# Altium PCB DriversBoard_Bigger.PcbDoc
Units mm, origin at the board's own origin, x right, y up, seen from the top; angles counter-clockwise.
Board outline 136.91 x 113.54 mm, 2 copper layers (Top Layer, Bottom Layer); 140 components, 161 nets, 851 pads, 0 vias.
Unrouted connection lines stored in the file: 475.
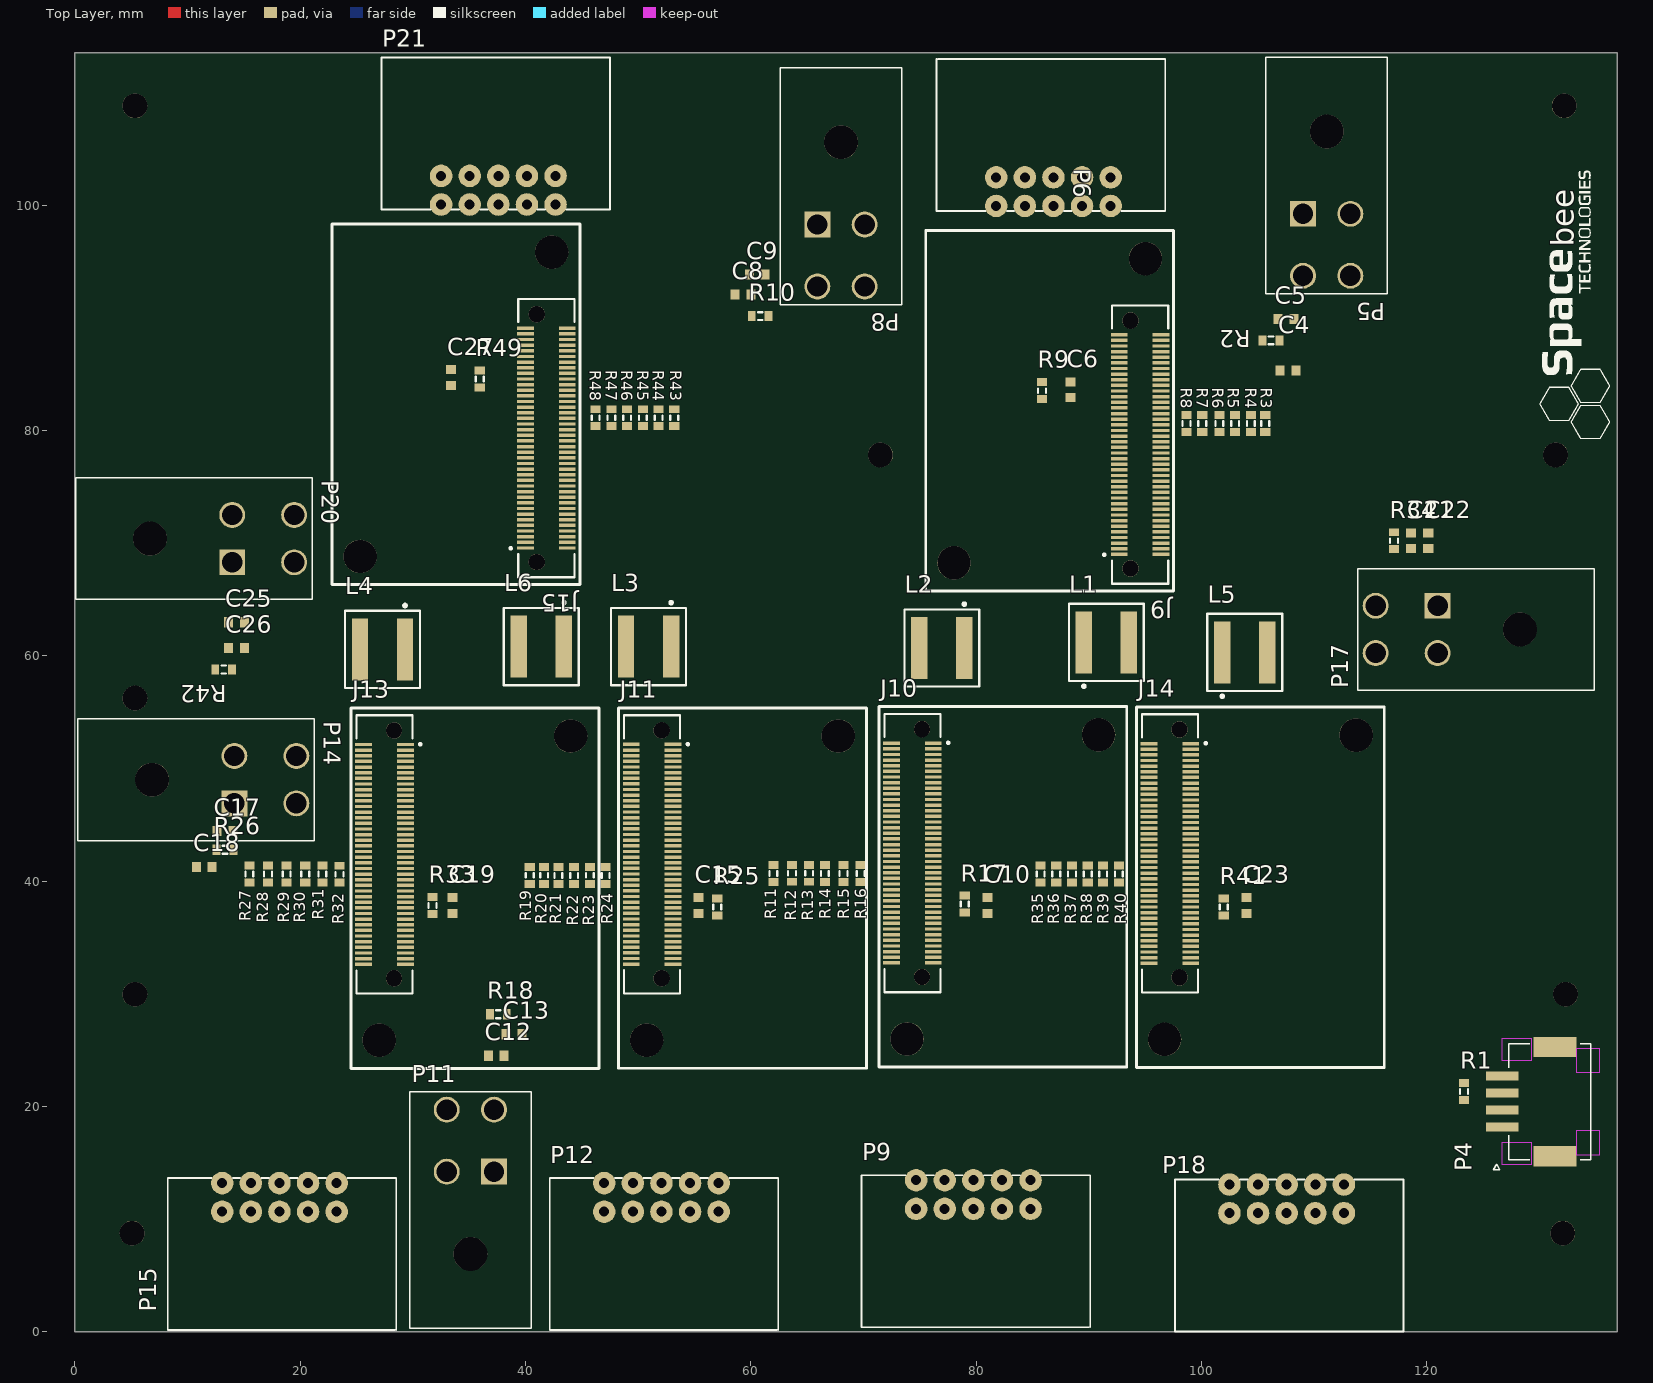
[diagram p0: Top Layer view]
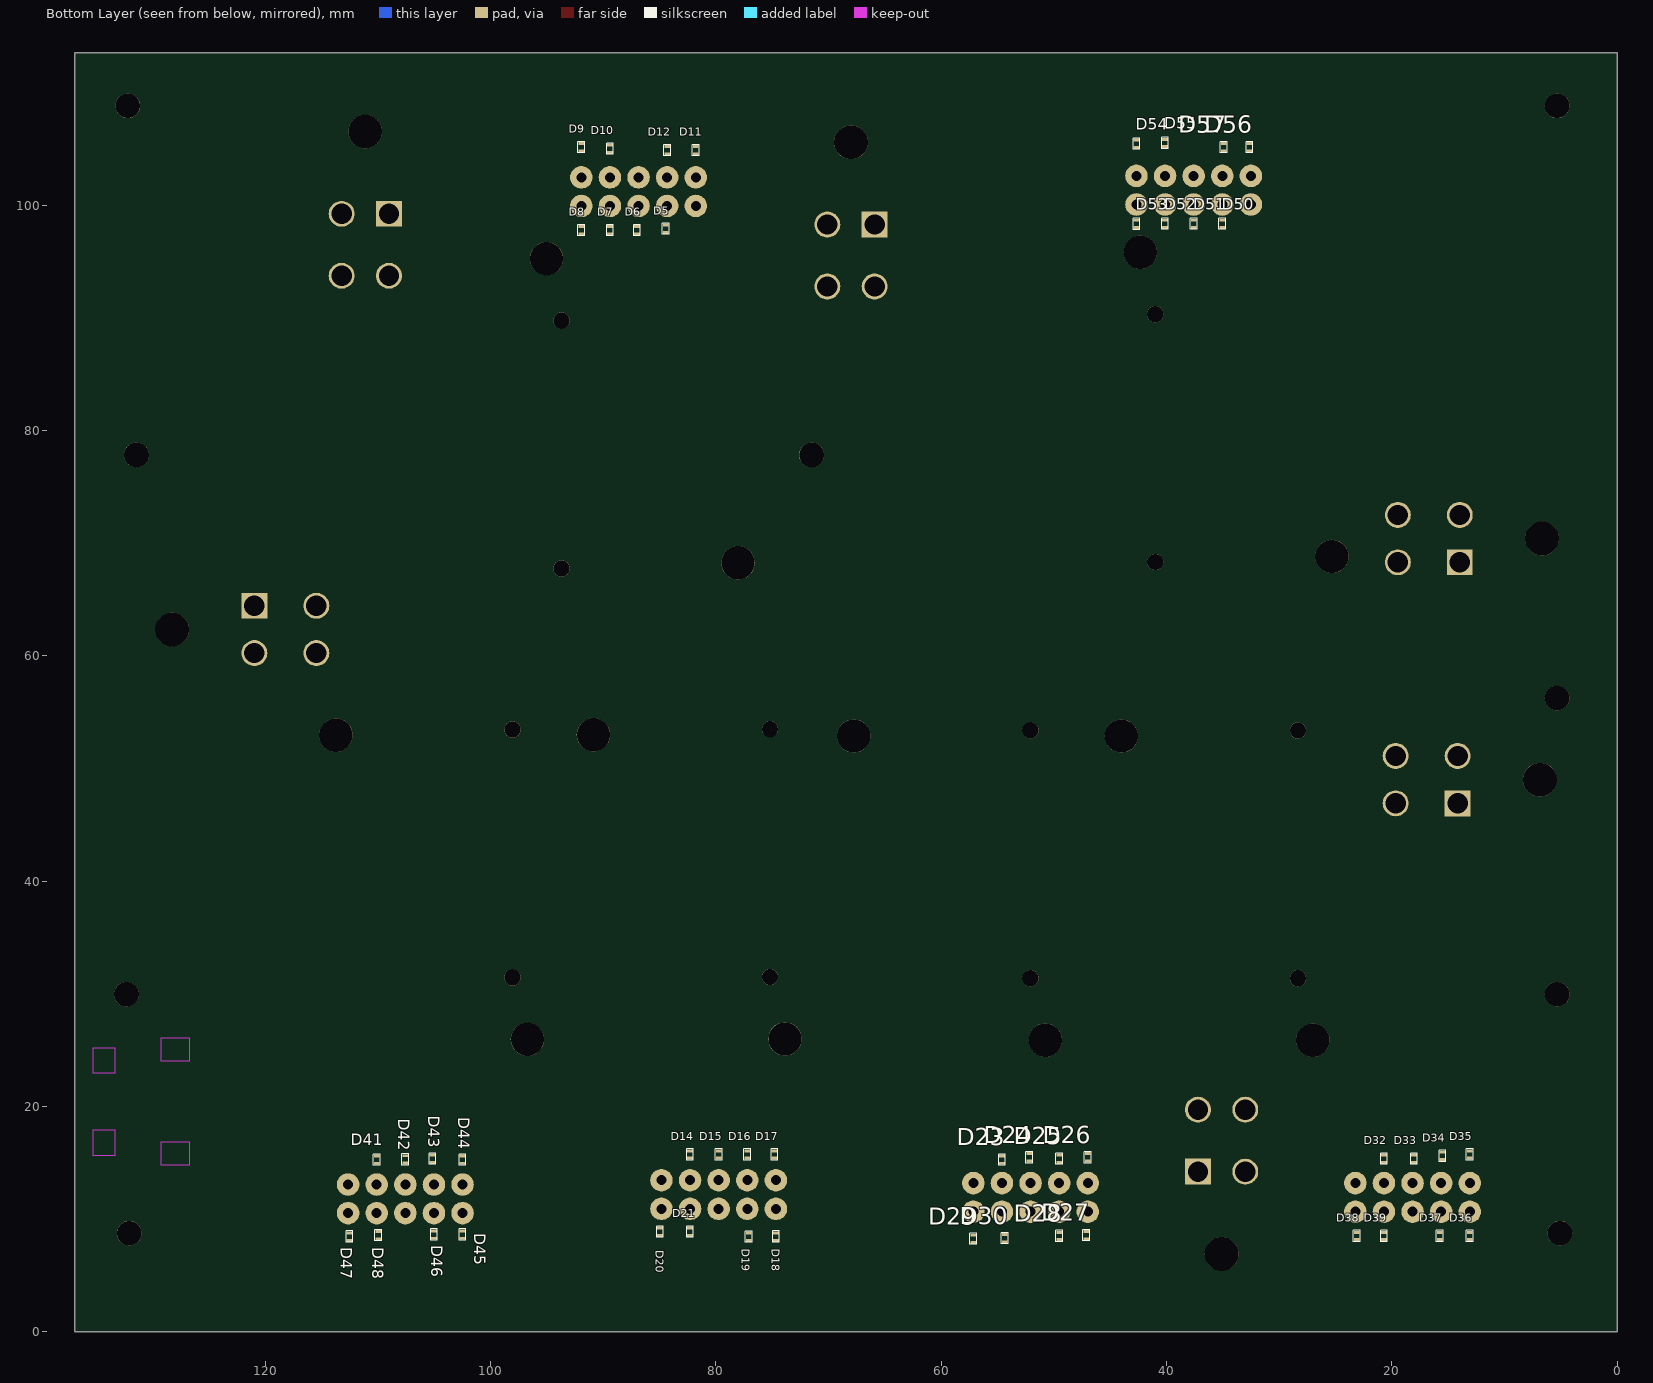
[diagram p1: Bottom Layer view, seen from below]

## Layer stack, top to bottom
Top Solder: solder mask 0.0102, Solder Resist, Dk 3.5
Top Layer: signal copper 0.0356
Dielectric 1: dielectric 0.32, FR-4, Dk 4.8
Bottom Layer: signal copper 0.0356
Bottom Solder: solder mask 0.0102, Solder Resist, Dk 3.5

## Board outline
0,0 136.906,0 136.906,113.538 0,113.538

## Design rules (kind name [scope] priority, off if disabled: settings)
Clearance [All] p1: gap=0.2 ignorepadtopadclearanceinfootprint=FALSE
PolygonConnect [All] p1: connectstyle=Relief reliefconductorwidth=0.254 reliefentries=4 polygonreliefangle="90 Angle" airgapwidth=0.254
RoomDefinition CurrentMeasurement [InComponentClass('CurrentMeasurement')] p1: confinementstyle=ConfineIn formatcopy=TRUE lockcomponents=FALSE outline -769.874,-672.084 -719.074,-672.084 -719.074,-646.684 -769.874,-646.684
RoomDefinition TopDrivers [InComponentClass('TopDrivers')] p2: confinementstyle=ConfineIn formatcopy=TRUE lockcomponents=FALSE outline 90.17,119.761 135.509,119.761 135.509,136.652 90.17,136.652
RoomDefinition D6 [InComponentClass('D6')] p3: confinementstyle=ConfineIn formatcopy=TRUE lockcomponents=FALSE outline 149.479,191.643 166.497,191.643 166.497,203.708 149.479,203.708
RoomDefinition D5 [InComponentClass('D5')] p4: confinementstyle=ConfineIn formatcopy=TRUE lockcomponents=FALSE outline 124.587,155.448 166.37,155.448 166.37,169.799 124.587,169.799
RoomDefinition D4 [InComponentClass('D4')] p5: confinementstyle=ConfineIn formatcopy=TRUE lockcomponents=FALSE outline -21.336,123.063 20.066,123.063 20.066,135.89 -21.336,135.89
RoomDefinition D3 [InComponentClass('D3')] p6: confinementstyle=ConfineIn formatcopy=TRUE lockcomponents=FALSE outline 196.977,87.63 220.579,87.63 220.579,116.205 196.977,116.205
RoomDefinition D2 [InComponentClass('D2')] p7: confinementstyle=ConfineIn formatcopy=TRUE lockcomponents=FALSE outline 148.971,101.6 160.655,101.6 160.655,114.046 148.971,114.046
RoomDefinition D1 [InComponentClass('D1')] p8: confinementstyle=ConfineIn formatcopy=TRUE lockcomponents=FALSE outline -23.241,116.078 -11.176,116.078 -11.176,131.572 -23.241,131.572
RoutingVias [All] p1: holewidth=0.711 width=1.27 viastyle="Through Hole" minholewidth=0.711 minwidth=1.27 maxholewidth=0.711 maxwidth=1.27
SolderMaskExpansion [All] p1: expansion=0.102 istentingtop=FALSE
Width [All] p1: maxlimit=0.254 minlimit=0.254 preferedwidth=0.254
30 further rules are at their usual default settings.

## Classes and differential pairs
component class D3: C4 C5 C6 D5 D6 D7 D8 D9 D10 D11 D12 J9 L1 P5 P6 R2 R3 R4 R5 R6 R7 R8 R9
component class D5: C8 C9 C10 D14 D15 D16 D17 D18 D19 D20 D21 J10 L2 P8 P9 R10 R11 R12 R13 R14 R15 R16 R17
component class D1: C12 C13 C15 D23 D24 D25 D26 D27 D28 D29 D30 J11 L3 P11 P12 R18 R19 R20 R21 R22 R23 R24 R25 U9
component class D2: C17 C18 C19 D32 D33 D34 D35 D36 D37 D38 D39 F4 J13 J22 L4 P14 P15 R26 R27 R28 R29 R30 R31 R32 R33 U10
component class D4: C21 C22 C23 D41 D42 D43 D44 D45 D46 D47 D48 F5 J14 J24 L5 P17 P18 R34 R35 R36 R37 R38 R39 R40 R41 U11
component class D6: C25 C26 C27 D22 D50 D51 D52 D53 D54 D55 D56 D57 F6 J15 J26 L6 P20 P21 P29 R42 R43 R44 R45 R46 R47 R48 R49 U12
component class TopDrivers: P4 R1

## Components (designator, comment, footprint, x,y, rotation, side; value= is the part's Value field where it differs from the comment)
C4 "Cap Semi" 1608[0603] 107.696,85.344 r180 top value=470pF
C5 "Cap Semi" 1608[0603] 107.504,89.916 r180 top value=220pF
C6 "Cap Semi" 1608[0603] 88.392,83.631 r90 top value=15pF
C8 "Cap Semi" 1608[0603] 59.309,92.075 r180 top value=470pF
C9 "Cap Semi" 1608[0603] 60.579,93.853 r0 top value=220pF
C10 "Cap Semi" 1608[0603] 81.026,37.846 r270 top value=15pF
C12 "Cap Semi" 1608[0603] 37.403,24.511 r180 top value=470pF
C13 "Cap Semi" 1608[0603] 38.989,26.416 r0 top value=220pF
C15 "Cap Semi" 1608[0603] 55.372,37.846 r270 top value=15pF
C17 "Cap Semi" 1608[0603] 13.335,44.45 r0 top value=470pF
C18 "Cap Semi" 1608[0603] 11.495,41.275 r0 top value=220pF
C19 "Cap Semi" 1608[0603] 33.528,37.846 r270 top value=15pF
C21 "Cap Semi" 1608[0603] 118.618,70.231 r270 top value=470pF
C22 "Cap Semi" 1608[0603] 120.142,70.231 r270 top value=220pF
C23 "Cap Semi" 1608[0603] 104.013,37.846 r270 top value=15pF
C25 "Cap Semi" 1608[0603] 14.351,62.992 r180 top value=470pF
C26 "Cap Semi" 1608[0603] 14.351,60.706 r180 top value=220pF
C27 "Cap Semi" 1608[0603] 33.401,84.709 r90 top value=15pF
D5 "PTVS5V0Z1BSC" SOD993B 84.455,97.917 r0 bottom
D6 "PTVS5V0Z1BSC" SOD993B 86.995,97.79 r0 bottom
D7 "PTVS5V0Z1BSC" SOD993B 89.408,97.79 r0 bottom
D8 "PTVS5V0Z1BSC" SOD993B 91.948,97.79 r0 bottom
D9 "PTVS5V0Z1BSC" SOD993B 91.948,105.156 r180 bottom
D10 "PTVS5V0Z1BSC" SOD993B 89.408,105.029 r180 bottom
D11 "PTVS5V0Z1BSC" SOD993B 81.788,104.902 r180 bottom
D12 "PTVS5V0Z1BSC" SOD993B 84.328,104.902 r180 bottom
D14 "PTVS5V0Z1BSC" SOD993B 82.296,15.748 r180 bottom
D15 "PTVS5V0Z1BSC" SOD993B 79.756,15.748 r180 bottom
D16 "PTVS5V0Z1BSC" SOD993B 77.216,15.748 r180 bottom
D17 "PTVS5V0Z1BSC" SOD993B 74.803,15.748 r180 bottom
D18 "PTVS5V0Z1BSC" SOD993B 74.676,8.453 r0 bottom
D19 "PTVS5V0Z1BSC" SOD993B 77.089,8.438 r0 bottom
D20 "PTVS5V0Z1BSC" SOD993B 84.963,8.89 r0 bottom
D21 "PTVS5V0Z1BSC" SOD993B 82.296,8.89 r0 bottom
D23 "PTVS5V0Z1BSC" SOD993B 54.61,15.296 r180 bottom
D24 "PTVS5V0Z1BSC" SOD993B 52.197,15.494 r180 bottom
D25 "PTVS5V0Z1BSC" SOD993B 49.53,15.367 r180 bottom
D26 "PTVS5V0Z1BSC" SOD993B 46.99,15.494 r180 bottom
D27 "PTVS5V0Z1BSC" SOD993B 47.117,8.58 r0 bottom
D28 "PTVS5V0Z1BSC" SOD993B 49.53,8.509 r0 bottom
D29 "PTVS5V0Z1BSC" SOD993B 57.15,8.255 r0 bottom
D30 "PTVS5V0Z1BSC" SOD993B 54.356,8.311 r0 bottom
D32 "PTVS5V0Z1BSC" SOD993B 20.701,15.367 r180 bottom
D33 "PTVS5V0Z1BSC" SOD993B 18.034,15.367 r180 bottom
D34 "PTVS5V0Z1BSC" SOD993B 15.494,15.621 r180 bottom
D35 "PTVS5V0Z1BSC" SOD993B 13.081,15.748 r180 bottom
D36 "PTVS5V0Z1BSC" SOD993B 13.081,8.509 r0 bottom
D37 "PTVS5V0Z1BSC" SOD993B 15.748,8.509 r0 bottom
D38 "PTVS5V0Z1BSC" SOD993B 23.114,8.509 r0 bottom
D39 "PTVS5V0Z1BSC" SOD993B 20.701,8.509 r0 bottom
D41 "PTVS5V0Z1BSC" SOD993B 110.109,15.296 r180 bottom
D42 "PTVS5V0Z1BSC" SOD993B 107.569,15.311 r180 bottom
D43 "PTVS5V0Z1BSC" SOD993B 105.156,15.367 r180 bottom
D44 "PTVS5V0Z1BSC" SOD993B 102.489,15.296 r180 bottom
D45 "PTVS5V0Z1BSC" SOD993B 102.489,8.636 r0 bottom
D46 "PTVS5V0Z1BSC" SOD993B 105.029,8.636 r0 bottom
D47 "PTVS5V0Z1BSC" SOD993B 112.522,8.453 r0 bottom
D48 "PTVS5V0Z1BSC" SOD993B 109.982,8.58 r0 bottom
D50 "PTVS5V0Z1BSC" SOD993B 35.052,98.354 r0 bottom
D51 "PTVS5V0Z1BSC" SOD993B 37.592,98.354 r0 bottom
D52 "PTVS5V0Z1BSC" SOD993B 40.132,98.354 r0 bottom
D53 "PTVS5V0Z1BSC" SOD993B 42.672,98.354 r180 bottom
D54 "PTVS5V0Z1BSC" SOD993B 42.672,105.466 r180 bottom
D55 "PTVS5V0Z1BSC" SOD993B 40.132,105.537 r180 bottom
D56 "PTVS5V0Z1BSC" SOD993B 32.639,105.156 r180 bottom
D57 "PTVS5V0Z1BSC" SOD993B 34.925,105.156 r180 bottom
J9 "LSHM-140-02.5-L-DV-A-N-K-TR" SAMTEC_LSHM-140-02.5-L-DV-A-N-K-TR 95.033,95.269 r270 top
J10 "LSHM-140-02.5-L-DV-A-N-K-TR" SAMTEC_LSHM-140-02.5-L-DV-A-N-K-TR 73.877,26.009 r90 top
J11 "LSHM-140-02.5-L-DV-A-N-K-TR" SAMTEC_LSHM-140-02.5-L-DV-A-N-K-TR 50.763,25.898 r90 top
J13 "LSHM-140-02.5-L-DV-A-N-K-TR" SAMTEC_LSHM-140-02.5-L-DV-A-N-K-TR 27.014,25.889 r90 top
J14 "LSHM-140-02.5-L-DV-A-N-K-TR" SAMTEC_LSHM-140-02.5-L-DV-A-N-K-TR 96.737,25.969 r90 top
J15 "LSHM-140-02.5-L-DV-A-N-K-TR" SAMTEC_LSHM-140-02.5-L-DV-A-N-K-TR 42.328,95.839 r270 top
L1 "6.8µH" WE-XHMA_6060 91.567,61.214 r90 top
L2 "6.8µH" WE-XHMA_6060 76.962,60.706 r270 top
L3 "6.8µH" WE-XHMA_6060 50.927,60.833 r270 top
L4 "6.8µH" WE-XHMA_6060 27.305,60.579 r270 top
L5 "6.8µH" WE-XHMA_6060 103.854,60.325 r90 top
L6 "6.8µH" WE-XHMA_6060 41.402,60.833 r270 top
P4 "CAN" MOLEX_5025850470 130.302,20.447 r90 top
P5 "Engine_3" MOLEX_1724480004 109.025,99.253 r180 top
P6 "Header 5X2" CONN_HIF3FC-14PA-2.54DS(71)_HIR 81.788,99.949 r180 top
P8 "Engine_5" MOLEX_1724480004 65.913,98.298 r180 top
P9 "Header 5X2" CONN_HIF3FC-14PA-2.54DS(71)_HIR 84.836,13.462 r0 top
P11 "Engine_1" MOLEX_1724480004 37.211,14.224 r0 top
P12 "Header 5X2" CONN_HIF3FC-14PA-2.54DS(71)_HIR 57.15,13.208 r0 top
P14 "Engine_2" MOLEX_1724480004 14.158,46.922 r270 top
P15 "Header 5X2" CONN_HIF3FC-14PA-2.54DS(71)_HIR 23.241,13.208 r0 top
P17 "Engine_4" MOLEX_1724480004 120.97,64.457 r90 top
P18 "Header 5X2" CONN_HIF3FC-14PA-2.54DS(71)_HIR 112.649,13.081 r0 top
P20 "Engine_6" MOLEX_1724480004 13.97,68.317 r270 top
P21 "Header 5X2" CONN_HIF3FC-14PA-2.54DS(71)_HIR 32.512,100.076 r180 top
R1 "Res3" J1-0603 123.317,21.336 r90 top value=120
R2 "Res3" J1-0603 106.172,88.011 r180 top value=270
R3 "Res3" J1-0603 105.664,80.645 r90 top value=56
R4 "Res3" J1-0603 104.394,80.645 r90 top value=56
R5 "Res3" J1-0603 102.997,80.645 r90 top value=56
R6 "Res3" J1-0603 101.6,80.645 r90 top value=56
R7 "Res3" J1-0603 100.076,80.645 r90 top value=56
R8 "Res3" J1-0603 98.679,80.633 r90 top value=56
R9 "Res3" J1-0603 85.852,83.554 r270 top value=6.7K
R10 "Res3" J1-0603 60.833,90.17 r0 top value=270
R11 "Res3" J1-0603 62.007,40.694 r270 top value=56
R12 "Res3" J1-0603 63.658,40.706 r270 top value=56
R13 "Res3" J1-0603 65.182,40.706 r270 top value=56
R14 "Res3" J1-0603 66.579,40.694 r270 top value=56
R15 "Res3" J1-0603 68.23,40.694 r270 top value=56
R16 "Res3" J1-0603 69.754,40.694 r270 top value=56
R17 "Res3" J1-0603 78.994,37.973 r90 top value=6.7K
R18 "Res3" J1-0603 37.592,28.194 r0 top value=270
R19 "Res3" J1-0603 40.386,40.525 r270 top value=56
R20 "Res3" J1-0603 41.656,40.525 r270 top value=56
R21 "Res3" J1-0603 42.926,40.513 r270 top value=56
R22 "Res3" J1-0603 44.323,40.513 r270 top value=56
R23 "Res3" J1-0603 45.72,40.525 r270 top value=56
R24 "Res3" J1-0603 47.117,40.513 r270 top value=56
R25 "Res3" J1-0603 57.023,37.719 r90 top value=6.7K
R26 "Res3" J1-0603 13.335,42.799 r180 top value=270
R27 "Res3" J1-0603 15.494,40.652 r270 top value=56
R28 "Res3" J1-0603 17.145,40.64 r270 top value=56
R29 "Res3" J1-0603 18.796,40.64 r270 top value=56
R30 "Res3" J1-0603 20.447,40.64 r270 top value=56
R31 "Res3" J1-0603 21.971,40.652 r270 top value=56
R32 "Res3" J1-0603 23.495,40.628 r270 top value=56
R33 "Res3" J1-0603 31.75,37.846 r90 top value=6.7K
R34 "Res3" J1-0603 117.094,70.231 r90 top value=270
R35 "Res3" J1-0603 85.725,40.64 r270 top value=56
R36 "Res3" J1-0603 87.122,40.652 r270 top value=56
R37 "Res3" J1-0603 88.519,40.64 r270 top value=56
R38 "Res3" J1-0603 89.916,40.64 r90 top value=56
R39 "Res3" J1-0603 91.282,40.64 r270 top value=56
R40 "Res3" J1-0603 92.679,40.64 r270 top value=56
R41 "Res3" J1-0603 101.981,37.719 r90 top value=6.7K
R42 "Res3" J1-0603 13.208,58.801 r0 top value=270
R43 "Res3" J1-0603 53.213,81.153 r90 top value=56
R44 "Res3" J1-0603 51.816,81.153 r90 top value=56
R45 "Res3" J1-0603 50.419,81.153 r90 top value=56
R46 "Res3" J1-0603 49.022,81.153 r90 top value=56
R47 "Res3" J1-0603 47.625,81.153 r90 top value=56
R48 "Res3" J1-0603 46.228,81.153 r90 top value=56
R49 "Res3" J1-0603 35.941,84.594 r270 top value=6.7K

## Footprints (in the part's own frame and the unit in brackets; to place one, negate y for a bottom-side part, rotate by r counter-clockwise, add the part's x,y. Pads: shape width x height; smd on the part's side, far side on the other; paste and mask are expansions set on the pad)
1608[0603] [mm] "Chip Capacitor, Body 1.6x0.8mm, IPC High Density"
  rect 0.8x0.9 smd: 1(-0.7,0) 2(0.7,0)
  body extent -0.87,-0.48 0.87,0.48, height 1.3
CONN_HIF3FC-14PA-2.54DS(71)_HIR [mm]
  round 2 hole 0.889 mask+0: 1(0,0) 2(0,-2.54) 3(-2.54,0) 4(-2.54,-2.54) 5(-5.08,0) 6(-5.08,-2.54) 7(-7.62,0) 8(-7.62,-2.54) 9(-10.16,0) 10(-10.16,-2.54)
  silkscreen extent -15,-13.04 5.3,0.45, body extent -15.2,-12.7 5,0.27, height 8.75
J1-0603 [mm] "Chip Resistor, Body 1.6x0.8mm, IPC High Density"
  rect 0.7x0.9 smd: 1(-0.75,0) 2(0.75,0)
  silkscreen extent -0.2,-0.35 0.2,0.35, body extent -0.85,-0.48 0.85,0.48, height 0.9
MOLEX_1724480004 [mm]
  rect 2.3x2.3 hole 1.8 mask+0.076: 1(0,0)
  round 2.3 hole 1.8 mask+0.076: 2(-4.2,0) 3(0,5.5) 4(-4.2,5.5)
  round 3 hole 3 unplated: ""(-2.1,-7.3)
  silkscreen extent -7.49,-13.9 3.3,7.11, body extent -7.49,-13.9 3.31,6.03, height 11.4
MOLEX_5025850470 [mm]
  rect 0.8x2.9 smd mask+0.076: 1(-2.25,3.6) 2(-0.75,3.6) 3(0.75,3.6) 4(2.25,3.6)
  rect 1.8x3.8 smd mask+0.076: S1(-4.85,-1.1) S1(4.85,-1.1)
  Keep-Out Layer region: 4.75,-5 2.55,-5 2.55,-3 4.75,-3
  Keep-Out Layer region: 5.6,1 3.6,1 3.6,3.6 5.6,3.6
  Keep-Out Layer region: -2.55,-5 -4.75,-5 -4.75,-3 -2.55,-3
  Keep-Out Layer region: -3.6,1 -5.6,1 -5.6,3.6 -3.6,3.6
  silkscreen extent -6.05,-4.25 5.15,4.4, body extent -5.15,-3.94 5.15,4.56, height 6.38
SAMTEC_LSHM-140-02.5-L-DV-A-N-K-TR [mm]
  rect 0.3x1.5 smd: 01(26.25,-2.323) 02(26.25,1.377) 03(25.75,-2.323) 04(25.75,1.377) 05(25.25,-2.323) 06(25.25,1.377) 07(24.75,-2.323) 08(24.75,1.377) 09(24.25,-2.323) 10(24.25,1.377) 11(23.75,-2.323) 12(23.75,1.377) 13(23.25,-2.323) 14(23.25,1.377) 15(22.75,-2.323) 16(22.75,1.377) 17(22.25,-2.323) 18(22.25,1.377) 19(21.75,-2.323) 20(21.75,1.377) 21(21.25,-2.323) 22(21.25,1.377) 23(20.75,-2.323) 24(20.75,1.377) 25(20.25,-2.323) 26(20.25,1.377) 27(19.75,-2.323) 28(19.75,1.377) 29(19.25,-2.323) 30(19.25,1.377) 31(18.75,-2.323) 32(18.75,1.377) 33(18.25,-2.323) 34(18.25,1.377) 35(17.75,-2.323) 36(17.75,1.377) 37(17.25,-2.323) 38(17.25,1.377) 39(16.75,-2.323) 40(16.75,1.377) 41(16.25,-2.323) 42(16.25,1.377) 43(15.75,-2.323) 44(15.75,1.377) 45(15.25,-2.323) 46(15.25,1.377) 47(14.75,-2.323) 48(14.75,1.377) 49(14.25,-2.323) 50(14.25,1.377) 51(13.75,-2.323) 52(13.75,1.377) 53(13.25,-2.323) 54(13.25,1.377) 55(12.75,-2.323) 56(12.75,1.377) 57(12.25,-2.323) 58(12.25,1.377) 59(11.75,-2.323) 60(11.75,1.377) 61(11.25,-2.323) 62(11.25,1.377) 63(10.75,-2.323) 64(10.75,1.377) 65(10.25,-2.323) 66(10.25,1.377) 67(9.75,-2.323) 68(9.75,1.377) 69(9.25,-2.323) 70(9.25,1.377) 71(8.75,-2.323) 72(8.75,1.377) 73(8.25,-2.323) 74(8.25,1.377) 75(7.75,-2.323) 76(7.75,1.377) 77(7.25,-2.323) 78(7.25,1.377) 79(6.75,-2.323) 80(6.75,1.377)
  round 2.96 hole 2.95: 2(0,0) 2(27,-17)
  round 1.45 hole 1.45 unplated: ""(5.5,-1.323) ""(27.5,-1.323)
  silkscreen extent -2.5,-19.5 29.5,2.5, body extent -2.5,-19.5 29.5,2.5, height 7.45
SOD993B [mm] "TVS DUAL"
  rect 0.51x0.26 smd paste-2539.97 mask+0.01: 1(0,0.325) 2(0,-0.325)
  silkscreen extent -0.3,-0.51 0.3,0.5, body extent -0.3,-0.51 0.3,0.49, height 0.28
WE-XHMA_6060 [mm] "SMT Power Inductor, 2-Leads, body 6.65x6.45mm"
  rect 5.5x1.45 smd: 1(0,2) 2(0,-2)
  silkscreen extent -4.02,-3.32 3.42,3.32, body extent -3.32,-3.22 3.33,3.23, height 5.8

## Part data
C4 C5 C6 C8 C9 C10 C12 C13 C15 C17 C18 C19 C21 C22 C23 C25 C26 C27: "Capacitor (Semiconductor SIM Model)", LatestRevisionDate=29-May-2009, LatestRevisionNote="IPC-7351 Footprint Added.", PackageDescription="Chip Capacitor", PackageReference=C1206, Published=8-Jun-2000, Publisher="Altium Limited"
D5 D6 D7 D8 D9 D10 D11 D12 D14 D15 D16 D17 D18 D19 D20 D21 D23 D24 D25 D26 D27 D28 D29 D30 D32 D33 D34 D35 D36 D37 D38 D39 D41 D42 D43 D44 D45 D46 D47 D48 D50 D51 D52 D53 D54 D55 D56 D57: Manufacturer="On Semiconductor", PartNumber=1SMB16CAT3, Supplier Part Number 1=1SMB16CAT3OSTR-ND, ComponentLink1Description="Manufacturer URL", ComponentLink1URL=http://www.onsemi.com/, ComponentLink2Description=Datasheet, ComponentLink2URL=http://www.onsemi.com/pub_link/Collateral/1SMB10CAT3-D.PDF, ComponentLink3Description="Package Specification", ComponentLink3URL=http://www.onsemi.com/pub_link/Collateral/1SMB10CAT3-D.PDF, DatasheetVersion="Rev. A", Direction=Bidirectional, IR Max (uA)=5, Mounting Technology="Surface Mount", PackageDescription="2-Pin Small Molded Package, J-Bend Lead, Body 4.315 x 3.555 mm", PackageReference=SMB-2-403C-01, PackageVersion="Rev. A, 01/2000", Packing="Tape and Reel", PPK Max (W)=600, Supplier 1=Digi-Key, Supplier 2=Digi-Key, Supplier 3=Digi-Key, Supplier Part Number 2=1SMB16CAT3OSCT-ND, Supplier Part Number 3=1SMB16CAT3OSDKR-ND, V(BR) Typ (V)=18.74
J9 J10 J11 J13 J14 J15: "LSHM - Samtec 0.50mm Razor Beam High-Speed Hermaphroditic Terminal / Socket Strip.", Package=None, Availability=Unavailable, MP=LSHM-140-02.5-L-DV-A-N-K-TR, Price=None
L1 L2 L3 L4 L5 L6: library part 78439369068, "WE-XHMA SMD Power Inductor, size 1090, 6.8µH, 10.5A, 7.16mΩ", Case/Size Code=1090, DC Resistance=7.16mΩ, Inductance Tolerance=20%, Manufacturer="Wurth Elektronik", Operating Temperature Max=125°C, Operating Temperature Min=-40°C, Rated Current=10.5A, Saturation Current=23.25A, Self Resonant Frequency=16MHz, Category="Shielded Power Inductors", ComponentLink1Description="Website Link", ComponentLink1URL=https://www.we-online.com/redexpert/article/78439369068?ad, ComponentLink2Description="Datasheet Link", ComponentLink2URL=https://www.we-online.com/redexpert/spec/78439369068?ad, Height=8.8mm, Inductance=6.8µH, Length=11.6mm, Manufacturer Part Number=78439369068, Match Code=WE-XHMA, Mount="Surface Mount", Packaging="Tape and Reel", Width=10.5mm
P4: library part "Header 5", "Header, 5-Pin", LatestRevisionDate=17-Jul-2002, LatestRevisionNote="Re-released for DXP Platform.", Publisher="Altium Limited"
P5 P8 P11 P14 P17 P20: library part "Header 2X2", "Header, 2-Pin, Dual row", LatestRevisionDate=17-Jul-2002, LatestRevisionNote="Re-released for DXP Platform.", Publisher="Altium Limited"
P6 P9 P12 P15 P18 P21: "Header, 5-Pin, Dual row", LatestRevisionDate=17-Jul-2002, LatestRevisionNote="Re-released for DXP Platform.", Publisher="Altium Limited"
R1 R2 R3 R4 R5 R6 R7 R8 R9 R10 R11 R12 R13 R14 R15 R16 R17 R18 R19 R20 R21 R22 R23 R24 R25 R26 R27 R28 R29 R30 R31 R32 R33 R34 R35 R36 R37 R38 R39 R40 R41 R42 R43 R44 R45 R46 R47 R48 R49: "Resistor", LatestRevisionDate=29-May-2009, LatestRevisionNote="IPC-7351 Footprint Added.", PackageDescription="Chip Resistor", PackageReference=J1-0603, Published=8-Jun-2000, Publisher="Altium Limited"

## Free pads (board coordinates)
  round 2.2 hole 2.2 unplated: H1(5.334,108.839) H2(5.334,56.261) H3(71.501,77.851) H4(5.08,8.763) H4(5.334,29.972) H5(132.207,108.839) H6(131.445,77.851) H7(132.08,8.763) H7(132.334,29.972)

## Nets (pads, with @x,y where several pads share a name; then routed paths per layer and width w, separated by ;. In a path a pad name is that pad's centre, name@x,y a point inside that pad or via, vN(x,y) a via of type N, cw(c..) or ccw(c..) an arc to the next point about the centre after c; other vN are vias at no path point)
+5V_1: J11.39 P12.1
+5V_2: J13.39 P15.1
+5V_3: J9.39 P6.1
+5V_4: J14.39 P18.1
+5V_5: J10.39 P9.1
+5V_6: J15.39 P21.1
C_USB_DM_1: J11.59
C_USB_DM_2: J13.59
C_USB_DM_3: J9.59
C_USB_DM_4: J14.59
C_USB_DM_5: J10.59
C_USB_DM_6: J15.59
C_USB_DP_1: J11.61
C_USB_DP_2: J13.61
C_USB_DP_3: J9.61
C_USB_DP_4: J14.61
C_USB_DP_5: J10.61
C_USB_DP_6: J15.61
C_USB_VBUS_1: J11.60
C_USB_VBUS_2: J13.60
C_USB_VBUS_3: J9.60
C_USB_VBUS_4: J14.60
C_USB_VBUS_5: J10.60
C_USB_VBUS_6: J15.60
CAN_HIGH: J9.79 J10.79 J11.79 J13.79 J14.79 J15.79 P4.4 R1.2
CAN_LOW: J9.80 J10.80 J11.80 J13.80 J14.80 J15.80 P4.2 R1.1
Ch_A\_1: D27.2 P12.10 R20.2
Ch_A\_2: D36.2 P15.10 R28.2
Ch_A\_3: D9.2 P6.10 R4.2
Ch_A\_4: D45.2 P18.10 R36.2
Ch_A\_5: D18.2 P9.10 R12.2
Ch_A\_6: D54.2 P21.10 R44.2
Ch_A_1: D28.2 P12.8 R19.2
Ch_A_2: D37.2 P15.8 R27.2
Ch_A_3: D10.2 P6.8 R3.2
Ch_A_4: D46.2 P18.8 R35.2
Ch_A_5: D19.2 P9.8 R11.2
Ch_A_6: D55.2 P21.8 R43.2
Ch_B\_1: D25.2 P12.7 R22.2
Ch_B\_2: D34.2 P15.7 R30.2
Ch_B\_3: D7.2 P6.7 R6.2
Ch_B\_4: D43.2 P18.7 R38.2
Ch_B\_5: D16.2 P9.7 R14.2
Ch_B\_6: D52.2 P21.7 R46.2
Ch_B_1: D26.2 P12.9 R21.2
Ch_B_2: D35.2 P15.9 R29.2
Ch_B_3: D8.2 P6.9 R5.2
Ch_B_4: D44.2 P18.9 R37.2
Ch_B_5: D17.2 P9.9 R13.2
Ch_B_6: D53.2 P21.9 R45.2
Ch_I\_1: D23.2 P12.3 R24.2
Ch_I\_2: D32.2 P15.3 R32.2
Ch_I\_3: D5.2 P6.3 R8.2
Ch_I\_4: D41.2 P18.3 R40.2
Ch_I\_5: D14.2 P9.3 R16.2
Ch_I\_6: D50.2 P21.3 R48.2
Ch_I_1: D24.2 P12.5 R23.2
Ch_I_2: D33.2 P15.5 R31.2
Ch_I_3: D6.2 P6.5 R7.2
Ch_I_4: D42.2 P18.5 R39.2
Ch_I_5: D15.2 P9.5 R15.2
Ch_I_6: D51.2 P21.5 R47.2
CLOCK_1: C15.1 D30.2 J11.55 P12.4 R25.2
CLOCK_2: C19.1 D39.2 J13.55 P15.4 R33.2
CLOCK_3: C6.1 D12.2 J9.55 P6.4 R9.2
CLOCK_4: C23.1 D48.2 J14.55 P18.4 R41.2
CLOCK_5: C10.1 D21.2 J10.55 P9.4 R17.2
CLOCK_6: C27.1 D57.2 J15.55 P21.4 R49.2
DATA_1: D29.2 J11.53 P12.2
DATA_2: D38.2 J13.53 P15.2
DATA_3: D11.2 J9.53 P6.2
DATA_4: D47.2 J14.53 P18.2
DATA_5: D20.2 J10.53 P9.2
DATA_6: D56.2 J15.53 P21.2
GND: C5.2 C6.2 C9.2 C10.2 C13.2 C15.2 C18.2 C19.2 C22.2 C23.2 C26.2 C27.2 D5.1 D6.1 D7.1 D8.1 D9.1 D10.1 D11.1 D12.1 D14.1 D15.1 D16.1 D17.1 D18.1 D19.1 D20.1 D21.1 D23.1 D24.1 D25.1 D26.1 D27.1 D28.1 D29.1 D30.1 D32.1 D33.1 D34.1 D35.1 D36.1 D37.1 D38.1 D39.1 D41.1 D42.1 D43.1 D44.1 D45.1 D46.1 D47.1 D48.1 D50.1 D51.1 D52.1 D53.1 D54.1 D55.1 D56.1 D57.1 J9.25 J9.27 J9.28 J9.29 J9.30 J9.31 J9.32 J9.57 J9.58 J9.63 J9.64 J9.72 J9.75 J9.76 J10.25 J10.27 J10.28 J10.29 J10.30 J10.31 J10.32 J10.57 J10.58 J10.63 J10.64 J10.72 J10.75 J10.76 J11.25 J11.27 J11.28 J11.29 J11.30 J11.31 J11.32 J11.57 J11.58 J11.63 J11.64 J11.72 J11.75 J11.76 J13.25 J13.27 J13.28 J13.29 J13.30 J13.31 J13.32 J13.57 J13.58 J13.63 J13.64 J13.72 J13.75 J13.76 J14.25 J14.27 J14.28 J14.29 J14.30 J14.31 J14.32 J14.57 J14.58 J14.63 J14.64 J14.72 J14.75 J14.76 J15.25 J15.27 J15.28 J15.29 J15.30 J15.31 J15.32 J15.57 J15.58 J15.63 J15.64 J15.72 J15.75 J15.76 P5.3 P5.4 P6.6 P8.3 P8.4 P9.6 P11.3 P11.4 P12.6 P14.3 P14.4 P15.6 P17.3 P17.4 P18.6 P20.3 P20.4 P21.6 R2.2 R9.1 R10.2 R17.1 R18.2 R25.1 R26.2 R33.1 R34.2 R41.1 R42.2 R49.1
GND1: P4.1 P4.3 P4.S1
"Motor_1 (-M)_1": J11.07 J11.08 J11.09 J11.10 J11.11 J11.12 P11.2
"Motor_1 (-M)_2": J13.07 J13.08 J13.09 J13.10 J13.11 J13.12 P14.2
"Motor_1 (-M)_3": J9.07 J9.08 J9.09 J9.10 J9.11 J9.12 P5.2
"Motor_1 (-M)_4": J14.07 J14.08 J14.09 J14.10 J14.11 J14.12 P17.2
"Motor_1 (-M)_5": J10.07 J10.08 J10.09 J10.10 J10.11 J10.12 P8.2
"Motor_1 (-M)_6": J15.07 J15.08 J15.09 J15.10 J15.11 J15.12 P20.2
"Motor_1 (M+)_1": J11.01 J11.02 J11.03 J11.04 J11.05 J11.06 L3.1
"Motor_1 (M+)_2": J13.01 J13.02 J13.03 J13.04 J13.05 J13.06 L4.1
"Motor_1 (M+)_3": J9.01 J9.02 J9.03 J9.04 J9.05 J9.06 L1.1
"Motor_1 (M+)_4": J14.01 J14.02 J14.03 J14.04 J14.05 J14.06 L5.1
"Motor_1 (M+)_5": J10.01 J10.02 J10.03 J10.04 J10.05 J10.06 L2.1
"Motor_1 (M+)_6": J15.01 J15.02 J15.03 J15.04 J15.05 J15.06 L6.1
NetC4_1: C4.1 C5.1 L1.2 P5.1
NetC4_2: C4.2 R2.1
NetC8_1: C8.1 C9.1 L2.2 P8.1
NetC8_2: C8.2 R10.1
NetC12_1: C12.1 C13.1 L3.2 P11.1
NetC12_2: C12.2 R18.1
NetC17_1: C17.1 C18.1 L4.2 P14.1
NetC17_2: C17.2 R26.1
NetC21_1: C21.1 C22.1 L5.2 P17.1
NetC21_2: C21.2 R34.1
NetC25_1: C25.1 C26.1 L6.2 P20.1
NetC25_2: C25.2 R42.1
NetF1_1: 
NetF2_1: 
NetF3_1: 
NetJ1_1: 
NetJ1_2: 
NetJ2_1: 
NetJ2_2: 
NetJ3_1: 
NetJ3_2: 
NetJ4_1: 
NetJ4_2: 
NetJ5_1: 
NetJ5_2: 
NetJ6_1: 
NetJ6_2: 
NetJ9_34: J9.34 R3.1
NetJ9_36: J9.36 R4.1
NetJ9_38: J9.38 R5.1
NetJ9_40: J9.40 R6.1
NetJ9_42: J9.42 R7.1
NetJ9_44: J9.44 R8.1
NetJ10_34: J10.34 R11.1
NetJ10_36: J10.36 R12.1
NetJ10_38: J10.38 R13.1
NetJ10_40: J10.40 R14.1
NetJ10_42: J10.42 R15.1
NetJ10_44: J10.44 R16.1
NetJ11_34: J11.34 R19.1
NetJ11_36: J11.36 R20.1
NetJ11_38: J11.38 R21.1
NetJ11_40: J11.40 R22.1
NetJ11_42: J11.42 R23.1
NetJ11_44: J11.44 R24.1
NetJ13_34: J13.34 R27.1
NetJ13_36: J13.36 R28.1
NetJ13_38: J13.38 R29.1
NetJ13_40: J13.40 R30.1
NetJ13_42: J13.42 R31.1
NetJ13_44: J13.44 R32.1
NetJ14_34: J14.34 R35.1
NetJ14_36: J14.36 R36.1
NetJ14_38: J14.38 R37.1
NetJ14_40: J14.40 R38.1
NetJ14_42: J14.42 R39.1
NetJ14_44: J14.44 R40.1
NetJ15_34: J15.34 R43.1
NetJ15_36: J15.36 R44.1
NetJ15_38: J15.38 R45.1
NetJ15_40: J15.40 R46.1
NetJ15_42: J15.42 R47.1
NetJ15_44: J15.44 R48.1
Shunt_Out1: 
Shunt_Out2: 
Shunt_Out3: 
Shunt_Out4: 
Shunt_Out5: 
Shunt_Out6: 
Supply1: J11.19 J11.20 J11.21 J11.22 J11.23 J11.24 J11.26 J13.19 J13.20 J13.21 J13.22 J13.23 J13.24 J13.26
Supply2: J9.19 J9.20 J9.21 J9.22 J9.23 J9.24 J9.26 J14.19 J14.20 J14.21 J14.22 J14.23 J14.24 J14.26
Supply3: J10.19 J10.20 J10.21 J10.22 J10.23 J10.24 J10.26 J15.19 J15.20 J15.21 J15.22 J15.23 J15.24 J15.26
VCC_+5V: 
pads on no net: J9. J9.2 J9.13 J9.14 J9.15 J9.16 J9.17 J9.18 J9.33 J9.35 J9.37 J9.41 J9.43 J9.45 J9.46 J9.47 J9.48 J9.49 J9.50 J9.51 J9.52 J9.54 J9.56 J9.62 J9.65 J9.66 J9.67 J9.68 J9.69 J9.70 J9.71 J9.73 J9.74 J9.77 J9.78 J10. J10.2 J10.13 J10.14 J10.15 J10.16 J10.17 J10.18 J10.33 J10.35 J10.37 J10.41 J10.43 J10.45 J10.46 J10.47 J10.48 J10.49 J10.50 J10.51 J10.52 J10.54 J10.56 J10.62 J10.65 J10.66 J10.67 J10.68 J10.69 J10.70 J10.71 J10.73 J10.74 J10.77 J10.78 J11. J11.2 J11.13 J11.14 J11.15 J11.16 J11.17 J11.18 J11.33 J11.35 J11.37 J11.41 J11.43 J11.45 J11.46 J11.47 J11.48 J11.49 J11.50 J11.51 J11.52 J11.54 J11.56 J11.62 J11.65 J11.66 J11.67 J11.68 J11.69 J11.70 J11.71 J11.73 J11.74 J11.77 J11.78 J13. J13.2 J13.13 J13.14 J13.15 J13.16 J13.17 J13.18 J13.33 J13.35 J13.37 J13.41 J13.43 J13.45 J13.46 J13.47 J13.48 J13.49 J13.50 J13.51 J13.52 J13.54 J13.56 J13.62 J13.65 J13.66 J13.67 J13.68 J13.69 J13.70 J13.71 J13.73 J13.74 J13.77 J13.78 J14. J14.2 J14.13 J14.14 J14.15 J14.16 J14.17 J14.18 J14.33 J14.35 J14.37 J14.41 J14.43 J14.45 J14.46 J14.47 J14.48 J14.49 J14.50 J14.51 J14.52 J14.54 J14.56 J14.62 J14.65 J14.66 J14.67 J14.68 J14.69 J14.70 J14.71 J14.73 J14.74 J14.77 J14.78 J15. J15.2 J15.13 J15.14 J15.15 J15.16 J15.17 J15.18 J15.33 J15.35 J15.37 J15.41 J15.43 J15.45 J15.46 J15.47 J15.48 J15.49 J15.50 J15.51 J15.52 J15.54 J15.56 J15.62 J15.65 J15.66 J15.67 J15.68 J15.69 J15.70 J15.71 J15.73 J15.74 J15.77 J15.78 P5. P8. P11. P14. P17. P20.

## Silkscreen, mask and mechanical layers (free items; w line width, h text height)
Top Overlay:
  drawing of 20 lines, arcs and shapes, not listed
  text "bee" at 133.068,96.327 h2 r90